# KiCad board mse-50-idc-panel.kicad_pcb (continued)
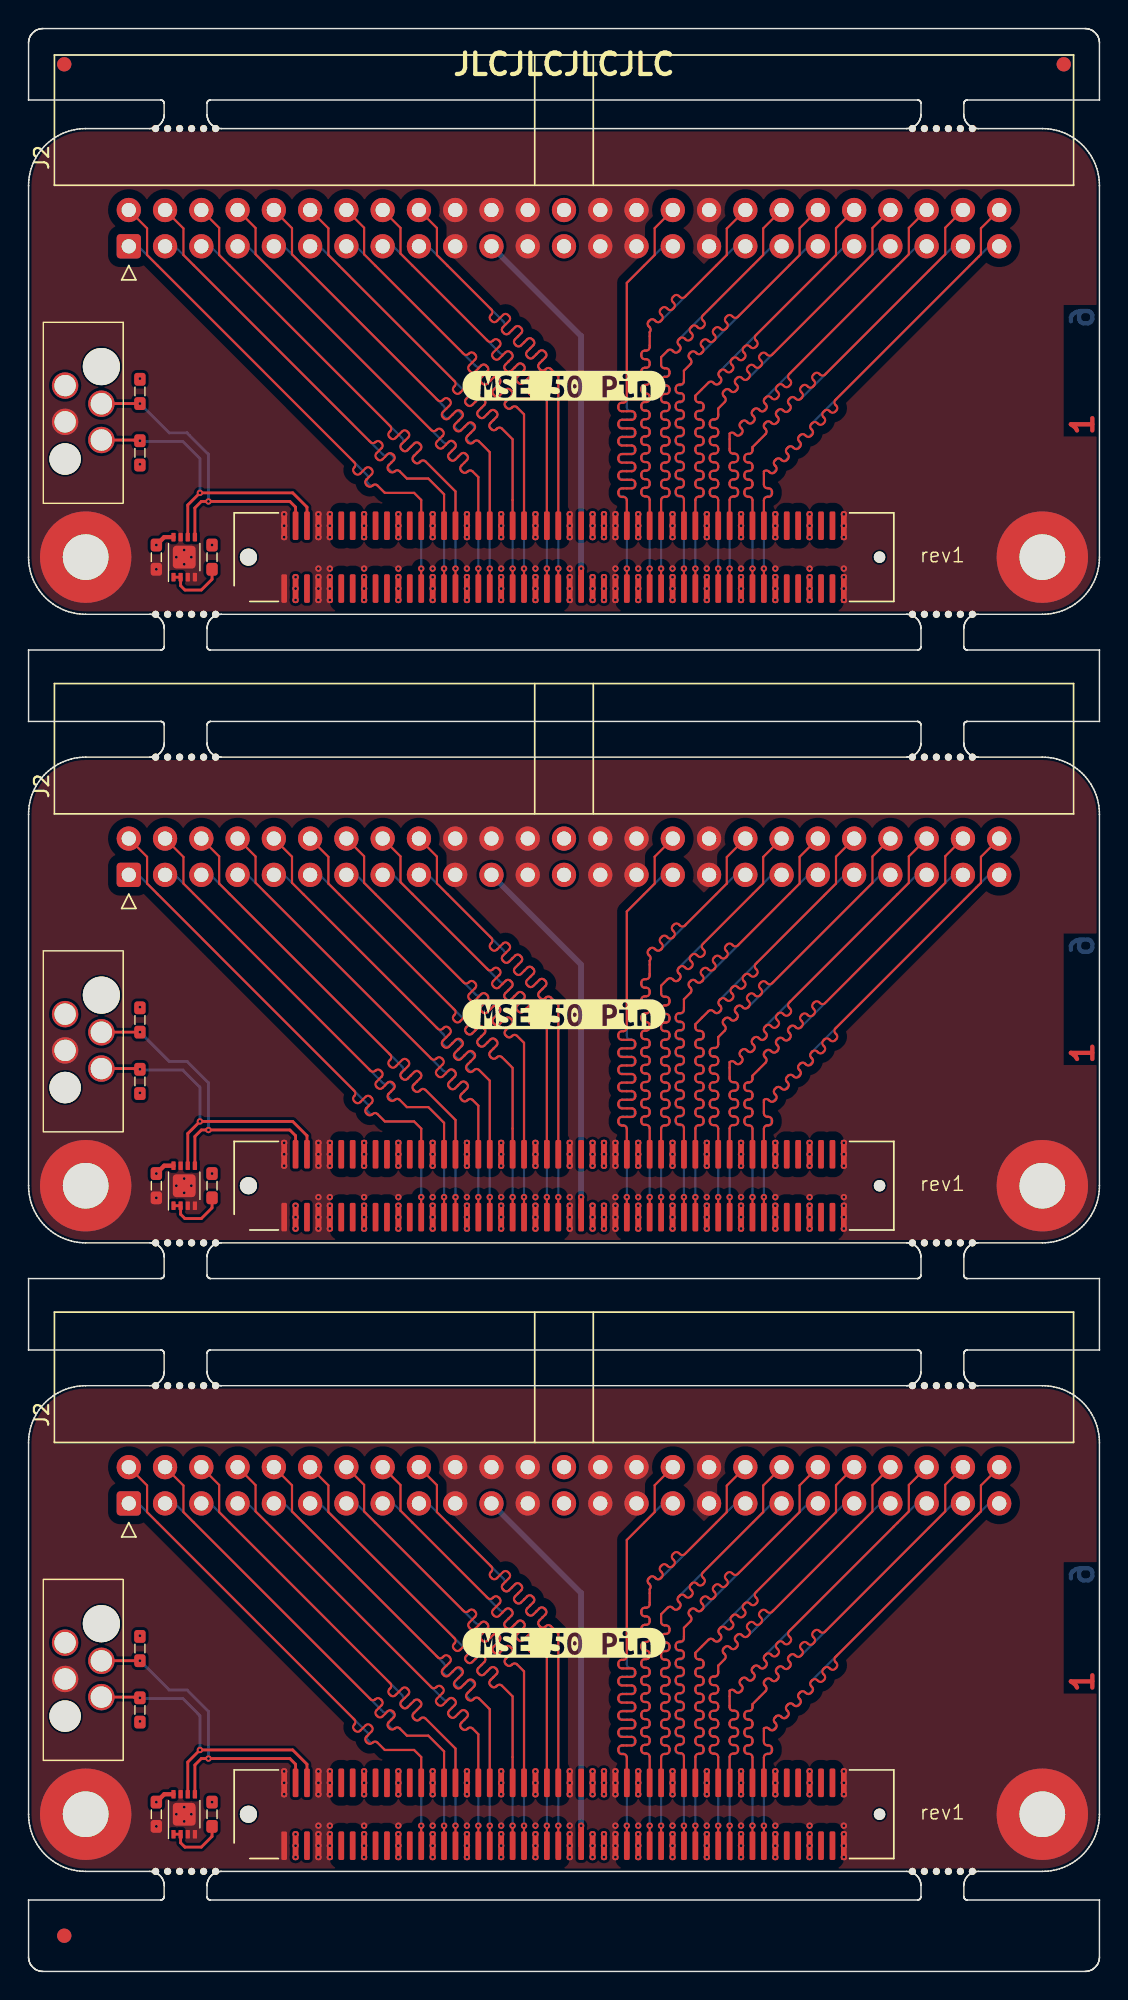
[diagram p0: board, top side]
## Routing (per net, layer and track width the routed paths; a pad name or vN(x,y) marks a point on that pad's centre or on a via; arc(x,y) is an arc through that point) (continued)
Board_2-/CON.ACK-: length 34
  Top w0.151: J2.38 51.45,34.01 51.45,32.15 47.31,28.01 47.22,27.92 arc(47.15,27.75) 47.22,27.58 47.3,27.51 arc(47.37,27.34) 47.3,27.17 47.21,27.08 arc(47.04,27.01) 46.87,27.08 46.8,27.16 arc(46.63,27.23) 46.46,27.16 46.37,27.07 arc(46.3,26.9) 46.37,26.73 46.45,26.66 arc(46.52,26.49) 46.45,26.32 46.36,26.23 arc(46.19,26.16) 46.03,26.23 45.95,26.31 arc(45.78,26.38) 45.61,26.31 45.52,26.23 arc(45.45,26.06) 45.52,25.89 45.6,25.81 arc(45.67,25.64) 45.6,25.47 45.52,25.38 arc(45.35,25.31) 45.18,25.38 45.1,25.46 arc(44.93,25.53) 44.76,25.46 44.3,25 44.3,24.46 arc(44.37,24.29) 44.54,24.22 44.65,24.22 arc(44.82,24.15) 44.89,23.98 44.89,23.86 arc(44.82,23.69) 44.65,23.62 44.54,23.62 arc(44.37,23.55) 44.3,23.38 44.3,23.26 arc(44.37,23.09) 44.54,23.02 44.65,23.02 arc(44.82,22.95) 44.89,22.78 44.89,22.66 arc(44.82,22.49) 44.65,22.42 44.54,22.42 arc(44.37,22.35) 44.3,22.18 44.3,22.06 arc(44.37,21.89) 44.54,21.82 44.65,21.82 arc(44.82,21.75) 44.89,21.58 44.89,21.46 arc(44.82,21.29) 44.65,21.22 44.54,21.22 arc(44.37,21.15) 44.3,20.98 44.3,20.86 arc(44.37,20.69) 44.54,20.62 44.65,20.62 arc(44.82,20.55) 44.89,20.38 44.89,20.26 arc(44.82,20.09) 44.65,20.02 44.54,20.02 arc(44.37,19.95) 44.3,19.78 44.3,19.66 arc(44.37,19.49) 44.54,19.42 44.65,19.42 arc(44.82,19.35) 44.89,19.18 44.89,19.06 arc(44.82,18.89) 44.65,18.82 44.54,18.82 arc(44.37,18.75) 44.3,18.58 44.3,18.46 arc(44.37,18.29) 44.54,18.22 44.65,18.22 arc(44.82,18.15) 44.89,17.98 44.89,17.86 arc(44.82,17.69) 44.65,17.62 44.54,17.62 arc(44.37,17.55) 44.3,17.38 44.3,17.26 arc(44.37,17.09) 44.54,17.02 44.65,17.02 arc(44.82,16.95) 44.89,16.78 44.89,16.66 arc(44.82,16.49) 44.65,16.42 44.54,16.42 arc(44.37,16.35) 44.3,16.18 44.3,16.06 arc(44.37,15.89) 44.54,15.82 44.65,15.82 arc(44.82,15.75) 44.89,15.58 44.89,15.46 arc(44.82,15.29) 44.65,15.22 44.54,15.22 arc(44.37,15.15) 44.3,14.98 J1.68
Board_2-/CON.ATN+: length 34.4
  Top w0.151: J1.61 v1(41.9,10.2)
  Bottom w0.151: v1(41.9,10.2) 41.9,15 arc(41.83,15.17) 41.66,15.24 41.59,15.24 arc(41.42,15.31) 41.35,15.48 41.35,15.6 arc(41.42,15.77) 41.59,15.84 42.21,15.84 arc(42.38,15.91) 42.45,16.08 42.45,16.2 arc(42.38,16.37) 42.21,16.44 41.59,16.44 arc(41.42,16.51) 41.35,16.68 41.35,16.8 arc(41.42,16.97) 41.59,17.04 42.21,17.04 arc(42.38,17.11) 42.45,17.28 42.45,17.4 arc(42.38,17.57) 42.21,17.64 41.59,17.64 arc(41.42,17.71) 41.35,17.88 41.35,18 arc(41.42,18.17) 41.59,18.24 42.21,18.24 arc(42.38,18.31) 42.45,18.48 42.45,18.6 arc(42.38,18.77) 42.21,18.84 41.59,18.84 arc(41.42,18.91) 41.35,19.08 41.35,19.2 arc(41.42,19.37) 41.59,19.44 42.21,19.44 arc(42.38,19.51) 42.45,19.68 42.45,19.8 arc(42.38,19.97) 42.21,20.04 41.59,20.04 arc(41.42,20.11) 41.35,20.28 41.35,20.4 arc(41.42,20.57) 41.59,20.64 42.21,20.64 arc(42.38,20.71) 42.45,20.88 42.45,21 arc(42.38,21.17) 42.21,21.24 42.14,21.24 arc(41.97,21.31) 41.9,21.48 41.9,30.2 44.46,32.76 J2.31
Board_2-/CON.ATN-: length 34
  Top w0.151: J2.32 43.85,34.03 43.85,32.15 41.9,30.2 41.9,22.05 arc(41.83,21.88) 41.66,21.81 41.55,21.81 arc(41.38,21.74) 41.31,21.57 41.31,21.45 arc(41.38,21.28) 41.55,21.21 42.25,21.21 arc(42.42,21.14) 42.49,20.97 42.49,20.85 arc(42.42,20.68) 42.25,20.61 41.55,20.61 arc(41.38,20.54) 41.31,20.37 41.31,20.25 arc(41.38,20.08) 41.55,20.01 42.25,20.01 arc(42.42,19.94) 42.49,19.77 42.49,19.65 arc(42.42,19.48) 42.25,19.41 41.55,19.41 arc(41.38,19.34) 41.31,19.17 41.31,19.05 arc(41.38,18.88) 41.55,18.81 42.25,18.81 arc(42.42,18.74) 42.49,18.57 42.49,18.45 arc(42.42,18.28) 42.25,18.21 41.55,18.21 arc(41.38,18.14) 41.31,17.97 41.31,17.85 arc(41.38,17.68) 41.55,17.61 42.25,17.61 arc(42.42,17.54) 42.49,17.37 42.49,17.25 arc(42.42,17.08) 42.25,17.01 41.55,17.01 arc(41.38,16.94) 41.31,16.77 41.31,16.65 arc(41.38,16.48) 41.55,16.41 42.25,16.41 arc(42.42,16.34) 42.49,16.17 42.49,16.05 arc(42.42,15.88) 42.25,15.81 41.55,15.81 arc(41.38,15.74) 41.31,15.57 41.31,15.45 arc(41.38,15.28) 41.55,15.21 41.66,15.21 arc(41.83,15.14) 41.9,14.97 J1.62
Board_2-/CON.BSY+: length 34.4
  Top w0.151: J1.65 v1(43.5,10.2)
  Bottom w0.151: v1(43.5,10.2) 43.5,15.03 arc(43.43,15.2) 43.26,15.27 43.17,15.27 arc(43,15.34) 42.93,15.51 42.93,15.63 arc(43,15.8) 43.17,15.87 43.26,15.87 arc(43.43,15.94) 43.5,16.11 43.5,16.23 arc(43.43,16.4) 43.26,16.47 43.17,16.47 arc(43,16.54) 42.93,16.71 42.93,16.83 arc(43,17) 43.17,17.07 43.26,17.07 arc(43.43,17.14) 43.5,17.31 43.5,17.43 arc(43.43,17.6) 43.26,17.67 43.17,17.67 arc(43,17.74) 42.93,17.91 42.93,18.03 arc(43,18.2) 43.17,18.27 43.26,18.27 arc(43.43,18.34) 43.5,18.51 43.5,18.63 arc(43.43,18.8) 43.26,18.87 43.17,18.87 arc(43,18.94) 42.93,19.11 42.93,19.23 arc(43,19.4) 43.17,19.47 43.26,19.47 arc(43.43,19.54) 43.5,19.71 43.5,19.83 arc(43.43,20) 43.26,20.07 43.17,20.07 arc(43,20.14) 42.93,20.31 42.93,20.43 arc(43,20.6) 43.17,20.67 43.26,20.67 arc(43.43,20.74) 43.5,20.91 43.5,21.03 arc(43.43,21.2) 43.26,21.27 43.17,21.27 arc(43,21.34) 42.93,21.51 42.93,21.63 arc(43,21.8) 43.17,21.87 43.26,21.87 arc(43.43,21.94) 43.5,22.11 43.5,22.23 arc(43.43,22.4) 43.26,22.47 43.17,22.47 arc(43,22.54) 42.93,22.71 42.93,22.83 arc(43,23) 43.17,23.07 43.26,23.07 arc(43.43,23.14) 43.5,23.31 43.5,23.43 arc(43.43,23.6) 43.26,23.67 43.17,23.67 arc(43,23.74) 42.93,23.91 42.93,24.03 arc(43,24.2) 43.17,24.27 43.26,24.27 arc(43.43,24.34) 43.5,24.51 43.5,24.63 arc(43.43,24.8) 43.26,24.87 43.17,24.87 arc(43,24.94) 42.93,25.11 42.93,25.23 arc(43,25.4) 43.17,25.47 43.26,25.47 arc(43.43,25.54) 43.5,25.71 43.5,26.75 arc(43.57,26.92) 43.5,27.09 43.44,27.16 arc(43.37,27.33) 43.44,27.49 43.52,27.58 arc(43.69,27.65) 43.86,27.58 43.92,27.52 arc(44.09,27.45) 44.26,27.52 49.51,32.76 J2.35
Board_2-/CON.BSY-: length 34
  Top w0.151: J1.66 43.5,15.02 arc(43.43,15.19) 43.26,15.26 43.15,15.26 arc(42.98,15.33) 42.91,15.5 42.91,15.62 arc(42.98,15.79) 43.15,15.86 43.26,15.86 arc(43.43,15.93) 43.5,16.1 43.5,16.22 arc(43.43,16.39) 43.26,16.46 43.15,16.46 arc(42.98,16.53) 42.91,16.7 42.91,16.82 arc(42.98,16.99) 43.15,17.06 43.26,17.06 arc(43.43,17.13) 43.5,17.3 43.5,17.42 arc(43.43,17.59) 43.26,17.66 43.15,17.66 arc(42.98,17.73) 42.91,17.9 42.91,18.02 arc(42.98,18.19) 43.15,18.26 43.26,18.26 arc(43.43,18.33) 43.5,18.5 43.5,18.62 arc(43.43,18.79) 43.26,18.86 43.15,18.86 arc(42.98,18.93) 42.91,19.1 42.91,19.22 arc(42.98,19.39) 43.15,19.46 43.26,19.46 arc(43.43,19.53) 43.5,19.7 43.5,19.82 arc(43.43,19.99) 43.26,20.06 43.15,20.06 arc(42.98,20.13) 42.91,20.3 42.91,20.42 arc(42.98,20.59) 43.15,20.66 43.26,20.66 arc(43.43,20.73) 43.5,20.9 43.5,21.02 arc(43.43,21.19) 43.26,21.26 43.15,21.26 arc(42.98,21.33) 42.91,21.5 42.91,21.62 arc(42.98,21.79) 43.15,21.86 43.26,21.86 arc(43.43,21.93) 43.5,22.1 43.5,22.22 arc(43.43,22.39) 43.26,22.46 43.15,22.46 arc(42.98,22.53) 42.91,22.7 42.91,22.82 arc(42.98,22.99) 43.15,23.06 43.26,23.06 arc(43.43,23.13) 43.5,23.3 43.5,23.42 arc(43.43,23.59) 43.26,23.66 43.15,23.66 arc(42.98,23.73) 42.91,23.9 42.91,24.02 arc(42.98,24.19) 43.15,24.26 43.26,24.26 arc(43.43,24.33) 43.5,24.5 43.5,24.62 arc(43.43,24.79) 43.26,24.86 43.15,24.86 arc(42.98,24.93) 42.91,25.1 42.91,25.22 arc(42.98,25.39) 43.15,25.46 43.26,25.46 arc(43.43,25.53) 43.5,25.7 43.5,26.75 arc(43.57,26.92) 43.5,27.09 43.42,27.17 arc(43.35,27.34) 43.42,27.51 43.51,27.59 arc(43.68,27.66) 43.85,27.59 43.92,27.52 arc(44.09,27.45) 44.26,27.52 44.35,27.6 arc(44.42,27.77) 44.35,27.94 44.27,28.02 arc(44.2,28.19) 44.27,28.36 44.36,28.44 arc(44.53,28.51) 44.7,28.44 44.77,28.36 arc(44.94,28.29) 45.11,28.36 45.2,28.45 arc(45.27,28.62) 45.2,28.79 45.12,28.86 arc(45.05,29.03) 45.12,29.2 45.21,29.29 arc(45.38,29.36) 45.55,29.29 45.62,29.21 arc(45.79,29.14) 45.96,29.21 48.9,32.15 48.9,34 J2.36
Board_2-/CON.C/D+: length 34.4
  Top w0.151: J1.79 v1(49.1,10.2)
  Bottom w0.151: J2.45 62.21,32.76 51.65,22.2 51.56,22.11 arc(51.49,21.94) 51.56,21.77 51.62,21.71 arc(51.69,21.54) 51.62,21.37 51.54,21.29 arc(51.37,21.22) 51.2,21.29 51.14,21.35 arc(50.97,21.42) 50.8,21.35 50.71,21.26 arc(50.64,21.09) 50.71,20.92 50.77,20.86 arc(50.84,20.69) 50.77,20.52 50.69,20.44 arc(50.52,20.37) 50.35,20.44 50.29,20.5 arc(50.12,20.57) 49.95,20.5 49.86,20.42 arc(49.79,20.25) 49.86,20.08 49.93,20.01 arc(50,19.84) 49.93,19.67 49.84,19.59 arc(49.67,19.52) 49.5,19.59 49.44,19.65 arc(49.27,19.72) 49.1,19.65 49.1,18.47 arc(49.17,18.3) 49.34,18.23 49.43,18.23 arc(49.6,18.16) 49.67,17.99 49.67,17.87 arc(49.6,17.7) 49.43,17.63 49.34,17.63 arc(49.17,17.56) 49.1,17.39 49.1,17.27 arc(49.17,17.1) 49.34,17.03 49.43,17.03 arc(49.6,16.96) 49.67,16.79 49.67,16.67 arc(49.6,16.5) 49.43,16.43 49.34,16.43 arc(49.17,16.36) 49.1,16.19 49.1,16.07 arc(49.17,15.9) 49.34,15.83 49.43,15.83 arc(49.6,15.76) 49.67,15.59 49.67,15.47 arc(49.6,15.3) 49.43,15.23 49.34,15.23 arc(49.17,15.16) 49.1,14.99 v1(49.1,10.2)
Board_2-/CON.C/D-: length 34
  Top w0.151: J2.46 61.65,34.05 61.65,32.2 53.34,23.89 53.26,23.81 arc(53.19,23.64) 53.26,23.47 53.34,23.39 arc(53.41,23.22) 53.34,23.05 53.25,22.96 arc(53.08,22.89) 52.91,22.96 52.83,23.05 arc(52.66,23.12) 52.49,23.05 52.41,22.96 arc(52.34,22.79) 52.41,22.62 52.49,22.54 arc(52.56,22.37) 52.49,22.2 52.41,22.12 arc(52.24,22.05) 52.07,22.12 51.98,22.2 arc(51.82,22.27) 51.65,22.2 51.56,22.11 arc(51.49,21.94) 51.56,21.77 51.64,21.69 arc(51.71,21.52) 51.64,21.35 51.56,21.27 arc(51.39,21.2) 51.22,21.27 51.14,21.35 arc(50.97,21.42) 50.8,21.35 50.71,21.26 arc(50.64,21.09) 50.71,20.92 50.79,20.84 arc(50.86,20.67) 50.79,20.5 50.71,20.42 arc(50.54,20.35) 50.37,20.42 50.29,20.5 arc(50.12,20.57) 49.95,20.5 49.86,20.42 arc(49.79,20.25) 49.86,20.08 49.95,19.99 arc(50.02,19.83) 49.95,19.66 49.86,19.57 arc(49.69,19.5) 49.52,19.57 49.44,19.65 arc(49.27,19.72) 49.1,19.65 49.1,18.49 arc(49.17,18.32) 49.34,18.25 49.46,18.25 arc(49.62,18.18) 49.7,18.01 49.7,17.89 arc(49.62,17.72) 49.46,17.65 49.34,17.65 arc(49.17,17.58) 49.1,17.41 49.1,17.29 arc(49.17,17.12) 49.34,17.05 49.46,17.05 arc(49.62,16.98) 49.7,16.81 49.7,16.69 arc(49.62,16.52) 49.46,16.45 49.34,16.45 arc(49.17,16.38) 49.1,16.21 49.1,16.09 arc(49.17,15.92) 49.34,15.85 49.46,15.85 arc(49.62,15.78) 49.7,15.61 49.7,15.49 arc(49.62,15.32) 49.46,15.25 49.34,15.25 arc(49.17,15.18) 49.1,15.01 J1.80
Board_2-/CON.DB0+: length 34.4
  Top w0.151: J1.25 v1(27.5,10.2)
  Bottom w0.151: v1(27.5,10.2) 27.5,15 27,15.5 24.95,15.5 24.41,16.05 arc(24.28,16.1) 24.16,16.05 arc(24.03,15.99) 23.91,16.05 23.73,16.22 arc(23.68,16.35) 23.73,16.47 arc(23.79,16.59) 23.73,16.72 23.56,16.89 7.69,32.76 J2.1
Board_2-/CON.DB0-: length 34
  Top w0.151: J2.2 8.3,34.02 8.3,32.15 22.74,17.72 22.82,17.63 arc(22.89,17.46) 22.82,17.29 22.8,17.27 arc(22.73,17.1) 22.8,16.93 22.88,16.84 arc(23.05,16.77) 23.22,16.84 23.61,17.23 arc(23.78,17.3) 23.95,17.23 24.03,17.15 arc(24.1,16.98) 24.03,16.81 23.65,16.42 arc(23.58,16.25) 23.65,16.08 23.73,16 arc(23.9,15.93) 24.07,16 24.09,16.02 arc(24.26,16.09) 24.43,16.02 24.95,15.5 27,15.5 27.5,15 J1.26
Board_2-/CON.DB1+: length 34.4
  Top w0.151: J1.29 v1(29.1,10.2)
  Bottom w0.151: v1(29.1,10.2) 29.1,15.4 28,16.5 26.5,16.5 25.98,17.03 arc(25.83,17.09) 25.69,17.03 arc(25.55,16.97) 25.4,17.03 25.24,17.19 arc(25.18,17.33) 25.24,17.48 25.53,17.76 arc(25.58,17.91) 25.53,18.05 25.39,18.19 arc(25.24,18.25) 25.1,18.19 arc(24.96,18.13) 24.81,18.19 24.7,18.3 10.24,32.76 J2.3
Board_2-/CON.DB1-: length 34
  Top w0.151: J1.30 29.1,15.4 28,16.5 26.5,16.5 25.99,17.01 arc(25.82,17.08) 25.65,17.01 25.63,17 arc(25.46,16.93) 25.3,17 25.21,17.08 arc(25.14,17.25) 25.21,17.42 25.58,17.79 arc(25.65,17.96) 25.58,18.13 25.49,18.22 arc(25.32,18.29) 25.15,18.22 24.79,17.85 arc(24.62,17.78) 24.45,17.85 24.36,17.93 arc(24.29,18.1) 24.36,18.27 24.73,18.64 arc(24.8,18.81) 24.73,18.98 24.64,19.06 arc(24.47,19.13) 24.3,19.06 24.29,19.05 arc(24.12,18.98) 23.95,19.05 23.87,19.14 10.85,32.15 10.85,34.01 J2.4
Board_2-/CON.DB2+: length 34.4
  Top w0.151: J1.31 v1(29.9,10.2)
  Bottom w0.151: J2.5 12.74,32.76 26.09,19.41 26.17,19.33 arc(26.24,19.16) 26.17,18.99 26.09,18.91 arc(26.02,18.74) 26.09,18.57 26.18,18.49 arc(26.35,18.42) 26.52,18.49 27.02,18.98 arc(27.19,19.05) 27.36,18.98 27.44,18.9 arc(27.51,18.73) 27.44,18.56 26.94,18.06 arc(26.87,17.89) 26.94,17.72 27.03,17.64 arc(27.2,17.57) 27.37,17.64 27.45,17.72 arc(27.62,17.79) 27.79,17.72 29.9,15.6 v1(29.9,10.2)
Board_2-/CON.DB2-: length 34
  Top w0.151: J1.32 29.9,15.6 27.8,17.7 arc(27.63,17.77) 27.46,17.7 27.39,17.63 arc(27.22,17.56) 27.05,17.63 26.96,17.72 arc(26.89,17.89) 26.96,18.06 27.44,18.54 arc(27.51,18.71) 27.44,18.88 27.36,18.96 arc(27.19,19.03) 27.02,18.96 26.54,18.48 arc(26.37,18.41) 26.2,18.48 26.11,18.57 arc(26.04,18.74) 26.11,18.91 26.6,19.39 arc(26.67,19.56) 26.6,19.73 26.51,19.81 arc(26.34,19.88) 26.17,19.81 25.69,19.33 arc(25.52,19.26) 25.35,19.33 25.27,19.42 arc(25.2,19.59) 25.27,19.75 25.34,19.83 arc(25.41,20) 25.34,20.17 25.25,20.25 13.35,32.15 13.35,34.05 J2.6
Board_2-/CON.DB3+: length 34.4
  Top w0.151: J1.35 v1(31.5,10.2)
  Bottom w0.151: v1(31.5,10.2) 31.5,16.6 31.1,17 arc(30.93,17.07) 30.76,17 30.74,16.98 arc(30.57,16.91) 30.4,16.98 30.31,17.07 arc(30.24,17.24) 30.31,17.4 30.7,17.79 arc(30.77,17.96) 30.7,18.13 30.61,18.21 arc(30.44,18.29) 30.27,18.21 29.89,17.83 arc(29.72,17.76) 29.55,17.83 29.46,17.91 arc(29.39,18.08) 29.46,18.25 29.85,18.64 arc(29.92,18.81) 29.85,18.98 29.76,19.06 arc(29.59,19.13) 29.42,19.06 29.4,19.04 arc(29.23,18.97) 29.06,19.04 28.98,19.12 15.34,32.76 J2.7
Board_2-/CON.DB3-: length 34
  Top w0.151: J1.36 31.5,16.6 31.1,17.01 arc(30.93,17.08) 30.76,17.01 30.72,16.97 arc(30.55,16.9) 30.38,16.97 30.29,17.05 arc(30.22,17.22) 30.29,17.39 30.71,17.81 arc(30.78,17.98) 30.71,18.15 30.62,18.23 arc(30.45,18.3) 30.29,18.23 29.87,17.82 arc(29.7,17.75) 29.53,17.82 29.45,17.9 arc(29.38,18.07) 29.45,18.24 29.86,18.66 arc(29.93,18.83) 29.86,19 29.78,19.08 arc(29.61,19.15) 29.44,19.08 29.02,18.67 arc(28.85,18.6) 28.68,18.67 28.6,18.75 arc(28.53,18.92) 28.6,19.09 29.01,19.5 arc(29.08,19.67) 29.01,19.84 28.93,19.93 arc(28.76,20) 28.59,19.93 28.55,19.89 arc(28.38,19.82) 28.21,19.89 28.13,19.98 15.9,32.2 15.9,34.04 J2.8
Board_2-/CON.DB4+: length 34.4
  Top w0.151: J1.37 v1(32.3,10.2)
  Bottom w0.151: J2.9 17.89,32.76 29,21.66 29.08,21.57 arc(29.15,21.4) 29.08,21.23 29.06,21.22 arc(28.99,21.05) 29.06,20.88 29.15,20.79 arc(29.32,20.72) 29.49,20.79 29.86,21.16 arc(30.03,21.23) 30.2,21.16 30.28,21.08 arc(30.35,20.91) 30.28,20.74 29.91,20.37 arc(29.84,20.2) 29.91,20.03 30,19.94 arc(30.17,19.87) 30.34,19.94 30.71,20.31 arc(30.88,20.38) 31.05,20.31 31.13,20.23 arc(31.2,20.06) 31.13,19.89 30.76,19.52 arc(30.69,19.35) 30.76,19.18 30.85,19.1 arc(31.02,19.03) 31.19,19.1 31.2,19.11 arc(31.37,19.18) 31.54,19.11 32.3,18.35 v1(32.3,10.2)
Board_2-/CON.DB4-: length 34
  Top w0.151: J2.10 18.45,34.03 18.45,32.2 28.58,22.07 28.66,21.99 arc(28.83,21.92) 29,21.99 29.08,22.07 arc(29.25,22.14) 29.42,22.07 29.51,21.98 arc(29.58,21.81) 29.51,21.64 29.01,21.14 arc(28.94,20.97) 29.01,20.8 29.09,20.72 arc(29.26,20.65) 29.43,20.72 29.93,21.22 arc(30.1,21.29) 30.27,21.22 30.36,21.13 arc(30.43,20.96) 30.36,20.8 29.86,20.3 arc(29.79,20.13) 29.86,19.96 29.94,19.87 arc(30.11,19.8) 30.28,19.87 30.78,20.37 arc(30.95,20.44) 31.12,20.37 31.21,20.29 arc(31.28,20.12) 31.21,19.95 30.71,19.45 arc(30.64,19.28) 30.71,19.11 30.79,19.02 arc(30.96,18.95) 31.13,19.02 31.21,19.1 arc(31.38,19.17) 31.55,19.1 32.3,18.35 J1.38
Board_2-/CON.DB5+: length 34.4
  Top w0.151: J1.41 v1(33.9,10.2)
  Bottom w0.151: v1(33.9,10.2) 33.9,19.25 33.15,20 arc(32.98,20.07) 32.81,20 32.77,19.95 arc(32.6,19.88) 32.43,19.95 32.34,20.04 arc(32.27,20.21) 32.34,20.38 32.77,20.81 arc(32.84,20.98) 32.77,21.15 32.69,21.23 arc(32.52,21.3) 32.35,21.23 31.92,20.8 arc(31.75,20.73) 31.58,20.8 31.5,20.89 arc(31.42,21.06) 31.5,21.23 31.93,21.66 arc(32,21.83) 31.93,22 31.84,22.08 arc(31.67,22.15) 31.5,22.08 31.07,21.65 arc(30.9,21.58) 30.73,21.65 30.65,21.74 arc(30.58,21.91) 30.65,22.08 30.69,22.12 arc(30.76,22.29) 30.69,22.46 20.39,32.76 J2.11
Board_2-/CON.DB5-: length 34
  Top w0.151: J1.42 33.9,19.25 33.15,20 arc(32.98,20.07) 32.81,20 32.76,19.95 arc(32.59,19.88) 32.42,19.95 32.33,20.04 arc(32.26,20.21) 32.33,20.38 32.77,20.82 arc(32.84,20.99) 32.77,21.16 32.69,21.24 arc(32.52,21.31) 32.35,21.24 31.91,20.8 arc(31.74,20.73) 31.57,20.8 31.49,20.89 arc(31.42,21.06) 31.49,21.23 31.93,21.67 arc(32,21.84) 31.93,22.01 31.84,22.09 arc(31.67,22.16) 31.5,22.09 31.06,21.65 arc(30.89,21.58) 30.72,21.65 30.64,21.73 arc(30.57,21.9) 30.64,22.07 31.08,22.51 arc(31.15,22.68) 31.08,22.85 30.99,22.94 arc(30.82,23.01) 30.65,22.94 30.21,22.5 arc(30.04,22.43) 29.87,22.5 29.79,22.58 arc(29.72,22.75) 29.79,22.92 29.84,22.97 arc(29.91,23.14) 29.84,23.31 21,32.15 21,34.02 J2.12
Board_2-/CON.DB6+: length 34.4
  Top w0.151: J1.43 v1(34.7,10.2)
  Bottom w0.151: J2.13 22.94,32.76 31.32,24.38 arc(31.49,24.31) 31.66,24.38 31.7,24.42 arc(31.86,24.49) 32.03,24.42 32.12,24.33 arc(32.19,24.16) 32.12,23.99 31.71,23.58 arc(31.64,23.41) 31.71,23.24 31.79,23.16 arc(31.96,23.09) 32.13,23.16 32.54,23.57 arc(32.71,23.64) 32.88,23.57 32.97,23.48 arc(33.04,23.31) 32.97,23.14 32.56,22.73 arc(32.49,22.56) 32.56,22.39 32.64,22.31 arc(32.81,22.24) 32.98,22.31 33.39,22.72 arc(33.56,22.79) 33.73,22.72 33.82,22.64 arc(33.89,22.47) 33.82,22.3 33.41,21.89 arc(33.34,21.72) 33.41,21.55 33.49,21.46 arc(33.66,21.39) 33.83,21.46 33.87,21.5 arc(34.04,21.57) 34.21,21.5 34.7,21 v1(34.7,10.2)
Board_2-/CON.DB6-: length 34
  Top w0.151: J2.14 23.5,34.06 23.5,32.2 30.48,25.22 arc(30.65,25.15) 30.82,25.22 30.86,25.27 arc(31.03,25.34) 31.2,25.27 31.28,25.18 arc(31.35,25.01) 31.28,24.84 30.86,24.42 arc(30.79,24.25) 30.86,24.08 30.94,23.99 arc(31.11,23.92) 31.28,23.99 31.71,24.42 arc(31.88,24.49) 32.05,24.42 32.13,24.33 arc(32.2,24.16) 32.13,23.99 31.71,23.57 arc(31.64,23.4) 31.71,23.23 31.79,23.15 arc(31.96,23.08) 32.13,23.15 32.56,23.57 arc(32.73,23.64) 32.9,23.57 32.98,23.49 arc(33.05,23.32) 32.98,23.15 32.56,22.72 arc(32.49,22.55) 32.56,22.38 32.64,22.3 arc(32.81,22.23) 32.98,22.3 33.4,22.72 arc(33.57,22.79) 33.74,22.72 33.83,22.64 arc(33.9,22.47) 33.83,22.3 33.4,21.87 arc(33.33,21.7) 33.4,21.53 33.49,21.45 arc(33.66,21.38) 33.83,21.45 33.87,21.49 arc(34.04,21.56) 34.21,21.49 34.7,21 J1.44
Board_2-/CON.DB7+: length 34.4
  Top w0.151: J1.47 v1(36.3,10.2)
  Bottom w0.151: J2.15 25.54,32.76 33.02,25.28 arc(33.19,25.21) 33.36,25.28 33.41,25.34 arc(33.58,25.41) 33.75,25.34 33.84,25.25 arc(33.91,25.08) 33.84,24.91 33.39,24.46 arc(33.32,24.29) 33.39,24.12 33.47,24.04 arc(33.64,23.97) 33.81,24.04 34.26,24.49 arc(34.43,24.56) 34.6,24.49 34.69,24.41 arc(34.76,24.24) 34.69,24.07 34.24,23.62 arc(34.17,23.45) 34.24,23.28 34.32,23.19 arc(34.49,23.12) 34.66,23.19 35.11,23.64 arc(35.28,23.71) 35.45,23.64 35.53,23.56 arc(35.61,23.39) 35.53,23.22 35.08,22.77 arc(35.01,22.6) 35.08,22.43 35.17,22.34 arc(35.34,22.27) 35.51,22.34 35.56,22.4 arc(35.73,22.47) 35.9,22.4 36.3,22 v1(36.3,10.2)
Board_2-/CON.DB7-: length 34
  Top w0.151: J1.48 36.3,22 35.9,22.4 arc(35.73,22.47) 35.56,22.4 35.5,22.34 arc(35.33,22.27) 35.16,22.34 35.08,22.43 arc(35.01,22.6) 35.08,22.77 35.53,23.23 arc(35.6,23.4) 35.53,23.57 35.45,23.65 arc(35.28,23.72) 35.11,23.65 34.65,23.19 arc(34.48,23.12) 34.31,23.19 34.23,23.28 arc(34.16,23.45) 34.23,23.62 34.69,24.08 arc(34.76,24.24) 34.69,24.41 34.6,24.5 arc(34.43,24.57) 34.26,24.5 33.8,24.04 arc(33.63,23.97) 33.46,24.04 33.38,24.13 arc(33.31,24.3) 33.38,24.46 33.84,24.92 arc(33.91,25.09) 33.84,25.26 33.75,25.35 arc(33.58,25.42) 33.41,25.35 32.95,24.89 arc(32.78,24.82) 32.61,24.89 32.53,24.97 arc(32.46,25.14) 32.53,25.31 32.99,25.77 arc(33.06,25.94) 32.99,26.11 32.9,26.2 arc(32.73,26.27) 32.56,26.2 32.5,26.14 arc(32.33,26.07) 32.17,26.14 26.05,32.25 26.05,34.05 J2.16